# KiCad board TheENDGAME2024_COPPER.kicad_pcb
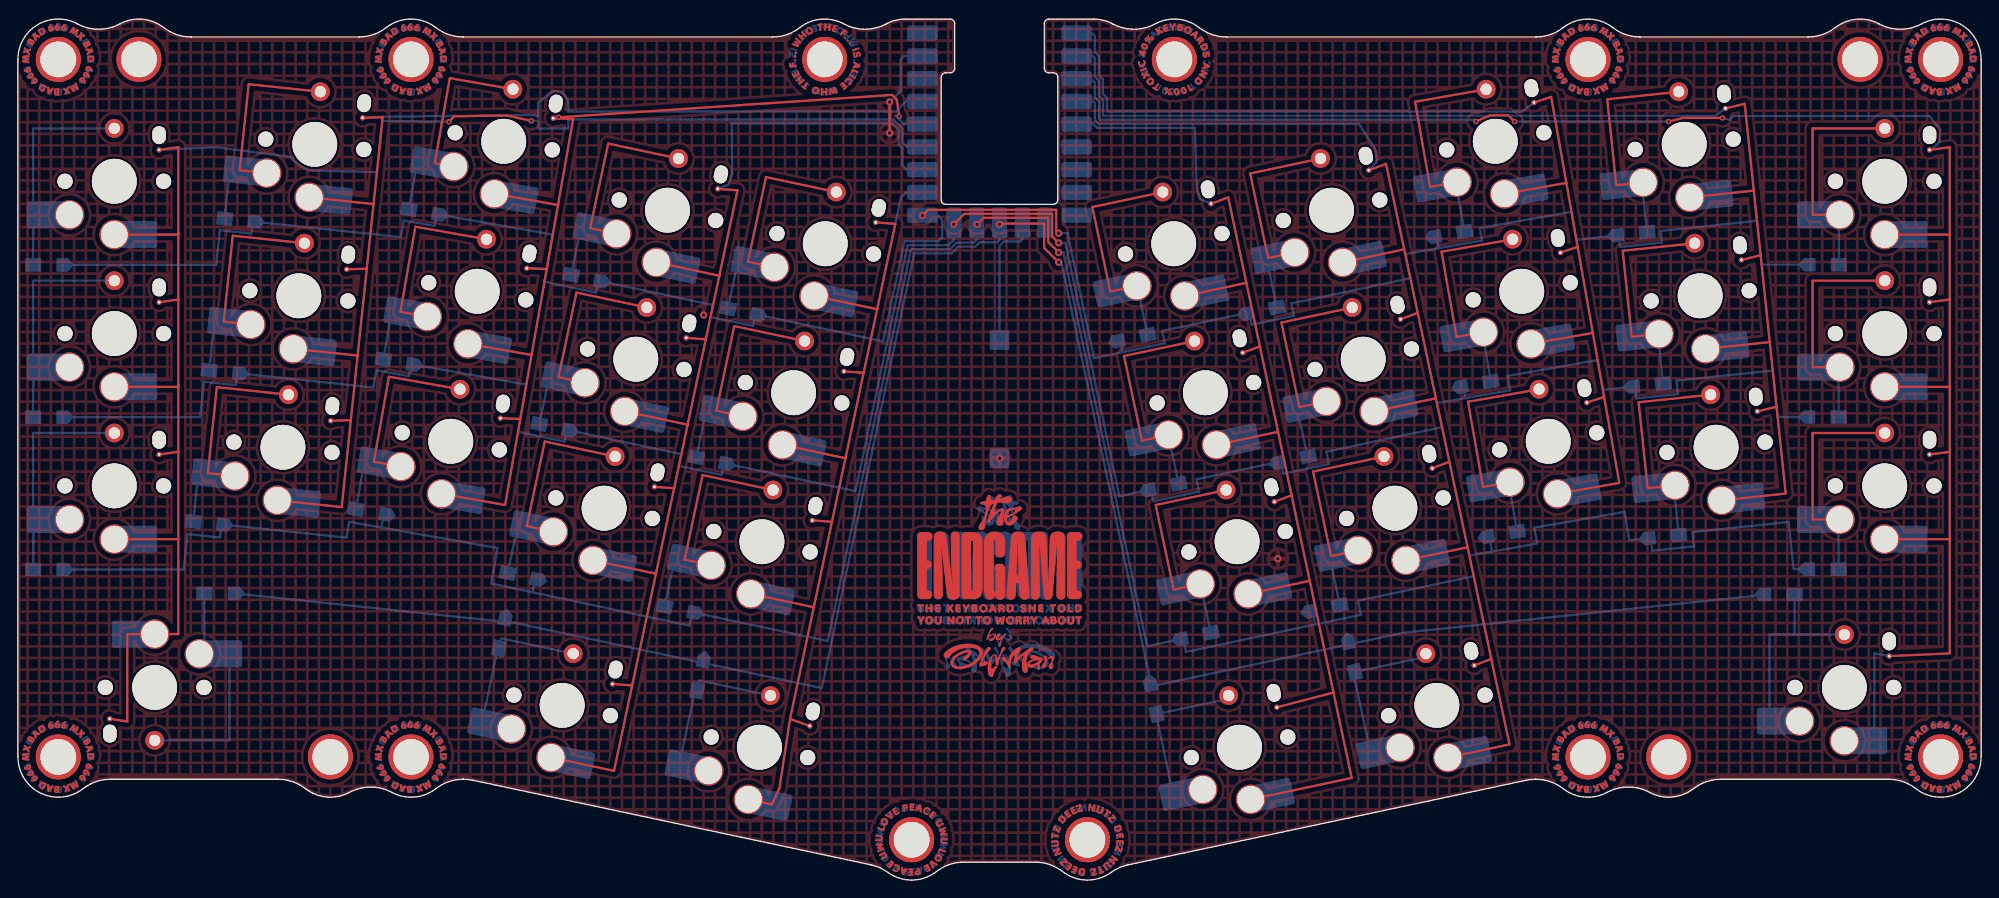
[diagram p0: board, top side]
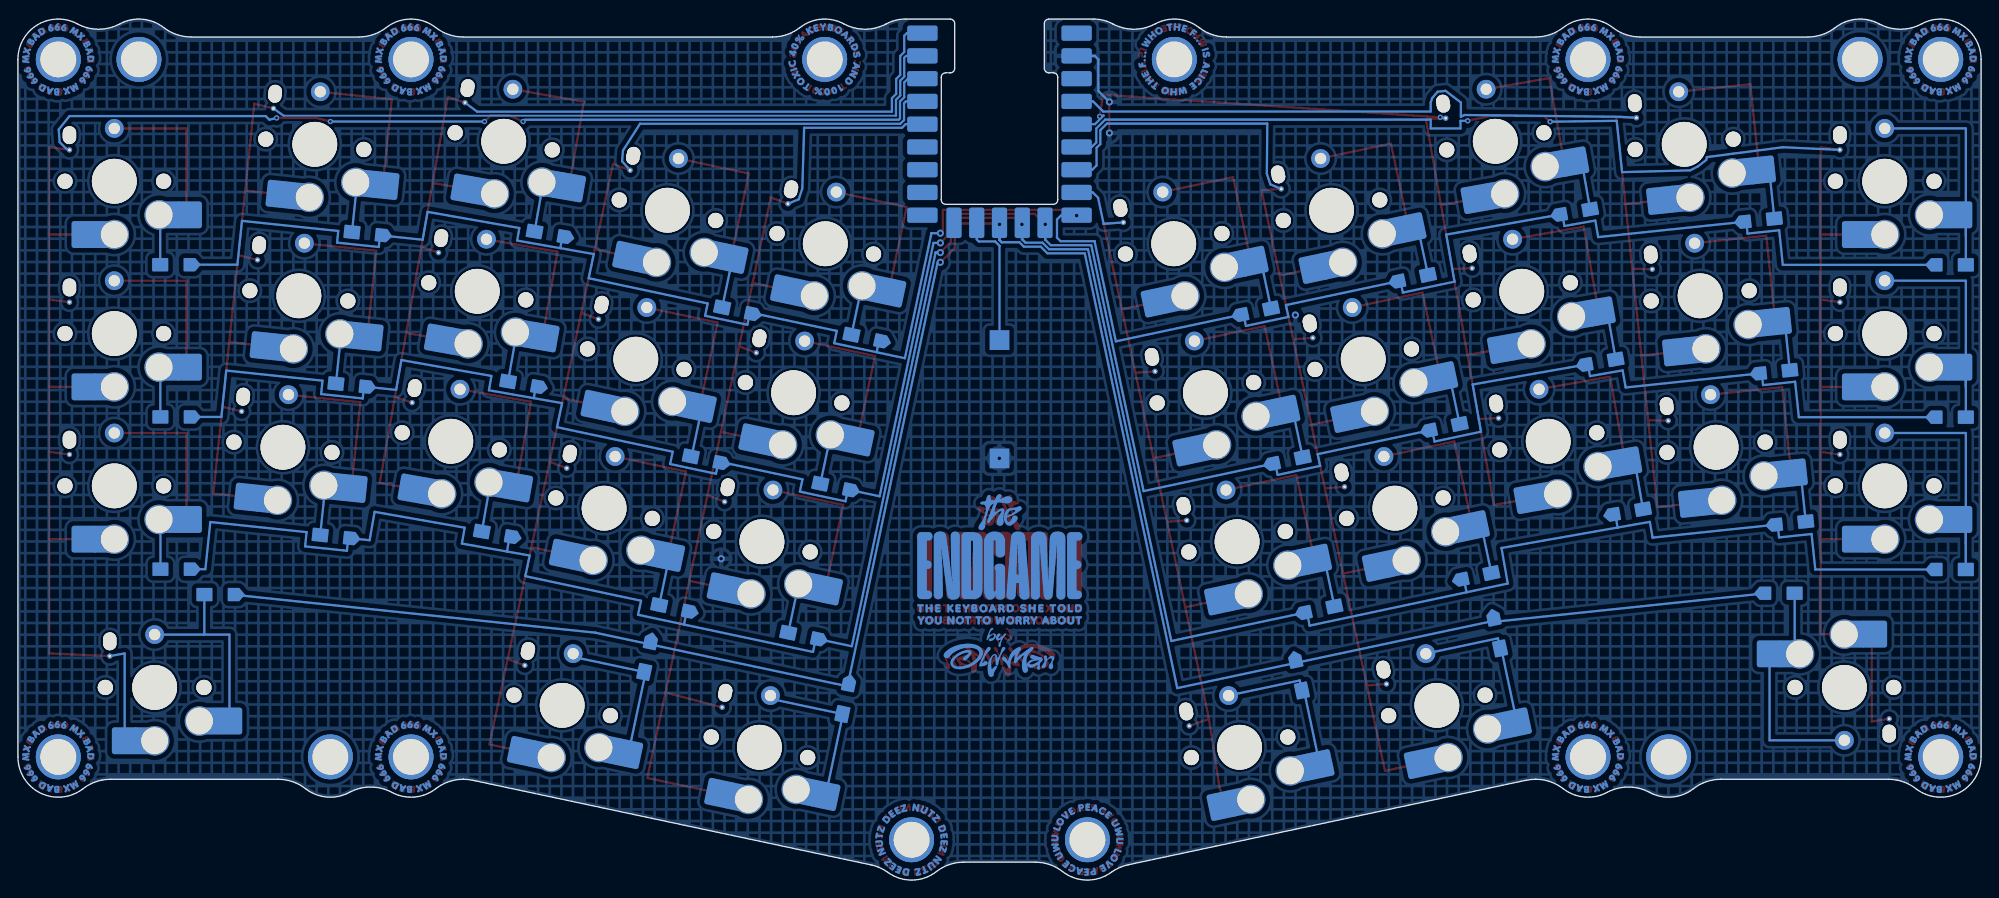
[diagram p1: board, bottom side, seen from below]

Outline 219 x 96.11 mm; copper layers: Top, Bottom. Coordinates in mm from the lower left corner of the outline.
Outline path: 0,91.61 0,13.75 arc(2.52,9.71) 7.26,10.2 arc(8.71,10.98) 10.33,11.25 29.02,11.25 arc(30.64,10.98) 32.09,10.2 arc(34.47,9.27) 36.98,9.79 arc(39.35,10.39) 41.72,9.79 arc(44.23,9.27) 46.61,10.2 arc(48.06,10.98) 49.68,11.25 49.7,11.25 arc(50.23,11.22) 50.74,11.14 95.15,1.7 arc(96.15,1.38) 97.05,0.86 arc(99.77,0) 102.46,0.95 arc(103.9,1.73) 105.53,2 113.47,2 arc(115.1,1.73) 116.54,0.95 arc(119.23,0) 121.95,0.86 arc(122.85,1.38) 123.85,1.7 168.26,11.14 arc(168.77,11.22) 169.3,11.25 169.32,11.25 arc(170.94,10.98) 172.39,10.2 arc(174.77,9.27) 177.28,9.79 arc(179.65,10.39) 182.02,9.79 arc(184.53,9.27) 186.91,10.2 arc(188.36,10.98) 189.98,11.25 208.67,11.25 arc(210.29,10.98) 211.74,10.2 arc(216.48,9.71) 219,13.75 219,91.61 arc(216.81,95.47) 212.37,95.57 arc(210,94.97) 207.63,95.57 arc(205.12,96.09) 202.74,95.16 arc(201.29,94.38) 199.67,94.11 180.98,94.11 arc(179.36,94.38) 177.91,95.16 arc(175.15,96.11) 172.39,95.16 arc(170.94,94.38) 169.32,94.11 134.83,94.11 arc(133.21,94.38) 131.76,95.16 arc(129.38,96.09) 126.87,95.57 arc(124.5,94.97) 122.13,95.57 arc(121.1,95.97) 120,96.11 115,96.11 arc(114.65,95.96) 114.5,95.61 114.5,90.61 arc(114.65,90.25) 115,90.11 115.5,90.11 arc(115.85,89.96) 116,89.61 116,75.93 arc(115.85,75.57) 115.5,75.43 103.5,75.43 arc(103.15,75.57) 103,75.93 103,89.61 arc(103.15,89.96) 103.5,90.11 104,90.11 arc(104.35,90.25) 104.5,90.61 104.5,95.61 arc(104.35,95.96) 104,96.11 99,96.11 arc(97.9,95.97) 96.87,95.57 arc(94.5,94.97) 92.13,95.57 arc(89.62,96.09) 87.24,95.16 arc(85.79,94.38) 84.17,94.11 49.68,94.11 arc(48.06,94.38) 46.61,95.16 arc(43.85,96.11) 41.09,95.16 arc(39.64,94.38) 38.02,94.11 19.33,94.11 arc(17.71,94.38) 16.26,95.16 arc(13.88,96.09) 11.37,95.57 arc(9,94.97) 6.63,95.57 arc(2.19,95.47) 0,91.61
Stack: Top 0.035mm / dielectric 1.51mm FR4 er 4.5 / Bottom 0.035mm

## Placement (name value [footprint] x y rotation side)
BZ2  Buzzer  [Buzzer_Mallory_AST1109MLTRQ]  109.5 53.67 270 bottom
D5  D_Small  [Diode_SOD123 filets triangle]  3.4 68.67 180 bottom
D6  D_Small  [Diode_SOD123 filets triangle]  3.4 51.67 180 bottom
D7  D_Small  [Diode_SOD123 filets triangle]  3.4 34.67 180 bottom
D8  D_Small  [Diode_SOD123 filets triangle]  22.5 32.02 180 bottom
D10  D_Small  [Diode_SOD123 filets triangle]  24.75 73.65 174 bottom
D11  D_Small  [Diode_SOD123 filets triangle]  23.02 56.73 174 bottom
D12  D_Small  [Diode_SOD123 filets triangle]  21.25 39.84 174 bottom
D13  D_Small  [Diode_SOD123 filets triangle]  45.29 74.58 170 bottom
D14  D_Small  [Diode_SOD123 filets triangle]  42.44 57.83 170 bottom
D15  D_Small  [Diode_SOD123 filets triangle]  39.39 41.11 170 bottom
D17  D_Small  [Diode_SOD123 filets triangle]  63.36 67.19 168 bottom
D18  D_Small  [Diode_SOD123 filets triangle]  59.83 50.55 168 bottom
D19  D_Small  [Diode_SOD123 filets triangle]  56.29 33.92 168 bottom
D20  D_Small  [Diode_SOD123 filets triangle]  54.01 27.52 258 bottom
D22  D_Small  [Diode_SOD123 filets triangle]  80.87 63.46 168 bottom
D23  D_Small  [Diode_SOD123 filets triangle]  77.34 46.83 168 bottom
D24  D_Small  [Diode_SOD123 filets triangle]  73.8 30.2 168 bottom
D25  D_Small  [Diode_SOD123 filets triangle]  76.12 22.83 258 bottom
D26  D_Small  [Diode_SOD123 filets triangle]  124.35 60.52 12 bottom
D27  D_Small  [Diode_SOD123 filets triangle]  127.82 43.89 12 bottom
D28  D_Small  [Diode_SOD123 filets triangle]  131.41 27.26 12 bottom
D29  D_Small  [Diode_SOD123 filets triangle]  126.67 20.2 282 bottom
D32  D_Small  [Diode_SOD123 filets triangle]  138.78 63.57 12 bottom
D33  D_Small  [Diode_SOD123 filets triangle]  142.28 46.94 12 bottom
D34  D_Small  [Diode_SOD123 filets triangle]  145.8 30.34 12 bottom
D35  D_Small  [Diode_SOD123 filets triangle]  148.78 24.9 282 bottom
D36  D_Small  [Diode_SOD123 filets triangle]  159.69 72.1 10 bottom
D37  D_Small  [Diode_SOD123 filets triangle]  162.65 55.36 10 bottom
D38  D_Small  [Diode_SOD123 filets triangle]  165.58 38.62 10 bottom
D39  D_Small  [Diode_SOD123 filets triangle]  180.05 72.15 6 bottom
D40  D_Small  [Diode_SOD123 filets triangle]  181.84 55.24 6 bottom
D41  D_Small  [Diode_SOD123 filets triangle]  183.59 38.33 6 bottom
D44  D_Small  [Diode_SOD123 filets triangle]  201.43 68.69 0 bottom
D45  D_Small  [Diode_SOD123 filets triangle]  201.41 51.69 0 bottom
D46  D_Small  [Diode_SOD123 filets triangle]  201.4 34.7 0 bottom
D47  D_Small  [Diode_SOD123 filets triangle]  196.5 31.87 0 bottom
REF**  -  [OM MOUNTING MX BAD]  175.15 13.75 0 top
REF**#2  -  [OM MOUNTING WHO THE F IS ALICE]  90 91.61 0 top
REF**#3  -  [OM MOUNTING MX BAD]  43.85 91.6 0 top
REF**#4  -  [OM MOUNTING MX BAD]  4.5 91.6 0 top
REF**#5  -  [MOUNTING HOLE 4 mm ENDGAME Silver NEW]  13.5 91.61 0 top
REF**#6  -  [OM MOUNTING TOXIC]  129 91.61 0 top
REF**#7  -  [OM MOUNTING MX BAD]  214.5 91.6 0 top
REF**#8  -  [OM MOUNTING MX BAD]  4.5 13.75 0 top
REF**#9  -  [OM MOUNTING MX BAD]  175.15 91.6 0 top
REF**#10  -  [OM MOUNTING LOVE PEACE UWU]  99.7 4.5 0 top
REF**#11  -  [OM MOUNTING MX BAD]  214.5 13.75 0 top
REF**#12  -  [OM MOUNTING MX BAD]  43.85 13.75 0 top
REF**#13  -  [OM MOUNTING DEEZ NUTZ]  119.3 4.5 0 top
REF**#14  -  [MOUNTING HOLE 4 mm ENDGAME Silver NEW]  34.85 13.75 0 top
REF**#15  -  [MOUNTING HOLE 4 mm ENDGAME Silver NEW]  184.15 13.75 0 top
REF**#16  -  [MOUNTING HOLE 4 mm ENDGAME Silver NEW]  205.5 91.61 0 top
SW2  SW_Push  [SW_choc_v1_v2_HS_1u]  10.75 78 180 bottom
SW3  SW_Push  [SW_choc_v1_v2_HS_1u]  10.75 61 180 bottom
SW4  SW_Push  [SW_choc_v1_v2_HS_1u]  10.75 44 180 bottom
SW5  SW_Push  [SW_choc_v1_v2_HS_1.5u]  15.25 21.5 0 bottom
SW6  SW_Push  [SW_choc_v1_v2_HS_1u]  33.12 82.12 174 bottom
SW7  SW_Push  [SW_choc_v1_v2_HS_1u]  31.34 65.22 174 bottom
SW8  SW_Push  [SW_choc_v1_v2_HS_1u]  29.56 48.31 174 bottom
SW9  SW_Push  [SW_choc_v1_v2_HS_1u]  54.19 82.46 170 bottom
SW10  SW_Push  [SW_choc_v1_v2_HS_1u]  51.24 65.72 170 bottom
SW11  SW_Push  [SW_choc_v1_v2_HS_1u]  48.29 48.98 170 bottom
SW12  SW_Push  [SW_choc_v1_v2_HS_1u]  72.46 74.77 168 bottom
SW13  SW_Push  [SW_choc_v1_v2_HS_1u]  68.92 58.14 168 bottom
SW14  SW_Push  [SW_choc_v1_v2_HS_1u]  65.39 41.51 168 bottom
SW15  SW_Push  [SW_choc_v1_v2_HS_1u]  60.71 19.5 168 bottom
SW16  SW_Push  [SW_choc_v1_v2_HS_1u]  90.07 71.03 168 bottom
SW17  SW_Push  [SW_choc_v1_v2_HS_1u]  86.53 54.4 168 bottom
SW18  SW_Push  [SW_choc_v1_v2_HS_1u]  83 37.77 168 bottom
SW19  SW_Push  [SW_choc_v1_v2_HS_1.5u]  82.72 14.82 168 bottom
SW20  SW_Push  [SW_choc_v1_v2_HS_1u]  128.93 71.03 192 bottom
SW21  SW_Push  [SW_choc_v1_v2_HS_1u]  132.47 54.4 192 bottom
SW22  SW_Push  [SW_choc_v1_v2_HS_1u]  136 37.77 192 bottom
SW23  SW_Push  [SW_choc_v1_v2_HS_1.5u]  136.28 14.82 192 bottom
SW24  SW_Push  [SW_choc_v1_v2_HS_1u]  146.54 74.77 192 bottom
SW25  SW_Push  [SW_choc_v1_v2_HS_1u]  150.08 58.14 192 bottom
SW26  SW_Push  [SW_choc_v1_v2_HS_1u]  153.61 41.51 192 bottom
SW27  SW_Push  [SW_choc_v1_v2_HS_1u]  158.29 19.5 192 bottom
SW28  SW_Push  [SW_choc_v1_v2_HS_1u]  164.81 82.46 190 bottom
SW29  SW_Push  [SW_choc_v1_v2_HS_1u]  167.76 65.72 190 bottom
SW30  SW_Push  [SW_choc_v1_v2_HS_1u]  170.71 48.98 190 bottom
SW31  SW_Push  [SW_choc_v1_v2_HS_1u]  185.88 82.12 186 bottom
SW32  SW_Push  [SW_choc_v1_v2_HS_1u]  187.66 65.22 186 bottom
SW33  SW_Push  [SW_choc_v1_v2_HS_1u]  189.44 48.31 186 bottom
SW34  SW_Push  [SW_choc_v1_v2_HS_1u]  208.25 78 180 bottom
SW35  SW_Push  [SW_choc_v1_v2_HS_1u]  208.25 61 180 bottom
SW36  SW_Push  [SW_choc_v1_v2_HS_1u]  208.25 44 180 bottom
SW37  SW_Push  [SW_choc_v1_v2_HS_1.5u]  203.75 21.5 180 bottom
U2  RP2040-Zero_stolen_from_Purox  [RP2040 Zero stolen from Purox bottom facing up 3d model v3]  109.5 85.8 0 top

## Library data of the parts
BZ2 = -: ki_fp_filters: *Buzzer*
D5-D8 D10-D15 D17-D20 D22-D29 D32-D41 D44-D47 = -: ki_fp_filters: TO-???* *_Diode_* *SingleDiode* D_*

## Footprints (pads in the part's own frame, mm; a bottom-side part is the same pattern mirrored in y, then rotated)
Buzzer_Mallory_AST1109MLTRQ
  rect 2.2x2.2 smd: 1(-6.6,0) 2(6.6,0)
Diode_SOD123 filets triangle
  custom 1.902x1.504 smd rot 179.8: 1(-1.45,0)
  rrect 1.8x1.5 smd: 2(1.7,0)
MOUNTING HOLE 4 mm ENDGAME Silver NEW
  round 5 smd: 1(0,0)
  round 5 hole 4: 1(0,0)
  round 5 smd far side: 1(0,0)
OM MOUNTING DEEZ NUTZ
  round 5 smd: 1(0,0)
  round 5 hole 4: 1(0,0)
  round 5 smd far side: 1(0,0)
OM MOUNTING LOVE PEACE UWU
  round 5 smd: 1(0,0)
  round 5 hole 4: 1(0,0)
  round 5 smd far side: 1(0,0)
OM MOUNTING MX BAD
  round 5 smd: 1(0,0)
  round 5 hole 4: 1(0,0)
  round 5 smd far side: 1(0,0)
OM MOUNTING TOXIC
  round 5 smd: 1(0,0)
  round 5 hole 4: 1(0,0)
  round 5 smd far side: 1(0,0)
OM MOUNTING WHO THE F IS ALICE
  round 5 smd: 1(0,0)
  round 5 hole 4: 1(0,0)
  round 5 smd far side: 1(0,0)
RP2040 Zero stolen from Purox bottom facing up 3d model v3
  rrect 3.4x1.7 smd far side: 1(-8.6,8.736) 2(-8.6,6.196) 3(-8.6,3.656) 4(-8.6,1.116) 5(-8.6,-1.424) 6(-8.6,-3.964) 7(-8.6,-6.504) 8(-8.6,-9.044) 9(-8.6,-11.584) 10(8.6,8.736) 11(8.6,6.196) 12(8.6,3.656) 13(8.6,1.116) 14(8.6,-1.424) 15(8.6,-3.964) 16(8.6,-6.504) 17(8.6,-9.044) 18(8.6,-11.584)
  rrect 1.7x3.4 smd far side: 19(-5.08,-12.434) 20(-2.54,-12.434) 21(0,-12.434) 22(2.54,-12.434) 23(5.08,-12.434)
SW_choc_v1_v2_HS_1.5u
  round 1.7 hole 1.7 unplated: (-5.5,0) (5.5,0)
  oval 1.5x2 hole 1.5x2 unplated: (-5,5.15)
  round 5 hole 5 unplated: (0,0)
  round 2.1 hole 1.27: 1(0,5.9)
  round 3.3 hole 3: 1(5,-3.75) 2(0,-5.95)
  rect 1.6x3 smd: 1(6.4,-3.75) 2(-1.4,-5.95)
  rrect 2.85x3 smd: 1(8.345,-3.75) 2(-3.345,-5.95)
  round 0.6 hole 0.3: 2(-5,3.5)
SW_choc_v1_v2_HS_1u
  round 1.7 hole 1.7 unplated: (-5.5,0) (5.5,0)
  oval 1.5x2 hole 1.5x2 unplated: (-5,5.15)
  round 5 hole 5 unplated: (0,0)
  round 2.1 hole 1.27: 1(0,5.9)
  round 3.3 hole 3: 1(5,-3.75) 2(0,-5.95)
  rect 1.6x3 smd: 1(6.4,-3.75) 2(-1.4,-5.95)
  rrect 2.85x3 smd: 1(8.345,-3.75) 2(-3.345,-5.95)
  round 0.6 hole 0.3: 2(-5,3.5)

## Nets
gnd: BZ2.2 U2.2
col0: SW2.2 SW3.2 SW4.2 SW5.2 U2.6
col1: SW6.2 SW7.2 SW8.2 U2.4
col2: SW9.2 SW10.2 SW11.2 U2.5
col3: SW12.2 SW13.2 SW14.2 SW15.2 U2.7
col4: SW16.2 SW17.2 SW18.2 SW19.2 U2.8
col5: SW20.2 SW21.2 SW22.2 SW23.2 U2.14
col6: SW24.2 SW25.2 SW26.2 SW27.2 U2.13
col7: SW28.2 SW29.2 SW30.2 U2.10
col8: SW31.2 SW32.2 SW33.2 U2.11
col9: SW34.2 SW35.2 SW36.2 SW37.2 U2.12
row0: D5.1 D10.1 D13.1 D17.1 D22.1 D26.1 D32.1 D36.1 D39.1 D44.1 U2.9
row1: D6.1 D11.1 D14.1 D18.1 D23.1 D27.1 D33.1 D37.1 D40.1 D45.1 U2.19
row2: D7.1 D12.1 D15.1 D19.1 D24.1 D28.1 D34.1 D38.1 D41.1 D46.1 U2.20
row3: D8.1 D20.1 D25.1 D29.1 D35.1 D47.1 U2.21
Sound: BZ2.1 U2.22
Net-(D5-A): D5.2 SW2.1
Net-(D6-A): D6.2 SW3.1
Net-(D7-A): D7.2 SW4.1
Net-(D8-A): D8.2 SW5.1
Net-(D10-A): D10.2 SW6.1
Net-(D11-A): D11.2 SW7.1
Net-(D12-A): D12.2 SW8.1
Net-(D13-A): D13.2 SW9.1
Net-(D14-A): D14.2 SW10.1
Net-(D15-A): D15.2 SW11.1
Net-(D17-A): D17.2 SW12.1
Net-(D18-A): D18.2 SW13.1
Net-(D19-A): D19.2 SW14.1
Net-(D20-A): D20.2 SW15.1
Net-(D22-A): D22.2 SW16.1
Net-(D23-A): D23.2 SW17.1
Net-(D24-A): D24.2 SW18.1
Net-(D25-A): D25.2 SW19.1
Net-(D26-A): D26.2 SW20.1
Net-(D27-A): D27.2 SW21.1
Net-(D28-A): D28.2 SW22.1
Net-(D29-A): D29.2 SW23.1
Net-(D32-A): D32.2 SW24.1
Net-(D33-A): D33.2 SW25.1
Net-(D34-A): D34.2 SW26.1
Net-(D35-A): D35.2 SW27.1
Net-(D36-A): D36.2 SW28.1
Net-(D37-A): D37.2 SW29.1
Net-(D38-A): D38.2 SW30.1
Net-(D39-A): D39.2 SW31.1
Net-(D40-A): D40.2 SW32.1
Net-(D41-A): D41.2 SW33.1
Net-(D44-A): D44.2 SW34.1
Net-(D45-A): D45.2 SW35.1
Net-(D46-A): D46.2 SW36.1
Net-(D47-A): D47.2 SW37.1

Pads without a net: REF** 1; REF**#2 1; REF**#3 1; REF**#4 1; REF**#5 1; REF**#6 1; REF**#7 1; REF**#8 1; REF**#9 1; REF**#10 1; REF**#11 1; REF**#12 1; REF**#13 1; REF**#14 1; REF**#15 1; REF**#16 1; U2 1 3 15 16 17 18 23

## Via types
v1: diameter 0.8, hole 0.4, Top to Bottom, 13 vias
v2: diameter 0.6, hole 0.3, Top to Bottom, 8 vias

## Routing (per net, layer and track width the routed paths; a pad name or vN(x,y) marks a point on that pad's centre or on a via; arc(x,y) is an arc through that point)
gnd: length 11.3
  Top w0.25: v1(97.24,86.85) 97.24,83.39 v1(97.24,83.39)
  Bottom w0.25: U2.2 98.87,91.99 98.47,91.6 98.47,88.08 v1(97.24,86.85)
  vias: v1(76.5,63.07) v1(109.52,47.07) v1(140.55,35.87)
col0: length 195.5
  Top w0.25: 17.9,55.27 17.9,47.8 ; 17.9,55.27 17.9,64.8 ; 17.9,55.27 17.9,55.05 SW3.2 ; 17.9,47.8 SW4.2 ; 17.9,47.8 17.9,38.07 ; 17.9,72.27 17.9,64.8 ; 17.9,72.27 17.9,81.8 SW2.2 ; 17.9,72.27 17.9,72.05 SW2.2 ; 17.9,64.8 SW3.2 ; 17.9,38.07 17.9,38.05 SW4.2 ; 17.9,38.07 17.9,27.45 SW5.2 12.2,27.45 12.2,17.7 SW5.2 ; v2(48.07,84.65) 48.67,85.25 54.47,85.35 v2(57.27,84.75)
  Bottom w0.25: SW2.2 22.11,81.8 22.11,81.8 30.59,80.69 30.66,80.38 31.56,79.68 32.45,79.22 40.05,79.02 40.65,84.72 40.67,84.75 v2(48.07,84.65) ; U2.6 99.21,81.83 98.7,82.34 98.7,83.89 97.7,84.89 61.4,84.89 61.4,83.89 58.07,83.89 58.07,84.75 v2(57.27,84.75)
col1: length 138.8
  Top w0.25: 38.91,68.24 SW7.2 ; 38.91,68.24 39.67,75.46 ; 38.91,68.24 37.9,58.55 ; 37.14,51.34 SW8.2 ; 37.14,51.34 37.9,58.55 ; 37.14,51.34 36.12,41.64 SW8.2 ; 37.9,58.55 37.89,58.55 SW7.2 ; SW6.2 40.69,85.15 39.67,75.46 ; 39.67,75.46 39.67,75.45 SW6.2
  Bottom w0.25: SW6.2 40.24,85.2 57.64,85.4 58.03,85.2 58.03,86.79 59.73,88.09 60.63,87.99 61.23,87.29 61.4,86.79 61.4,85.79 97.93,85.79 99.06,86.91 U2.4
col2: length 116.6
  Top w0.25: v2(60.32,85.14) 97.52,87.64 98.02,87.14 v2(98.32,85.24) ; 56.04,51.47 54.34,41.87 SW11.2 ; 56.04,51.47 57.32,58.73 ; 56.04,51.47 SW11.2 ; 58.99,68.21 57.32,58.73 ; 58.99,68.21 60.27,75.47 ; 58.99,68.21 SW10.2 ; 57.32,58.73 57.3,58.61 SW10.2 ; 60.27,75.47 60.25,75.35 SW9.2 ; 60.27,75.47 61.94,84.95 SW9.2
  Bottom w0.25: SW9.2 v2(60.32,85.14) ; v2(98.32,85.24) 97.89,85.34 98.85,84.37 U2.5
col3: length 137.7
  Top w0.25: 74.73,50.93 74.71,50.83 SW13.2 ; 74.73,50.93 73.2,43.73 ; 74.73,50.93 76.74,60.36 ; 73.2,43.73 SW14.2 ; 73.2,43.73 71.2,34.3 ; SW12.2 80.27,76.99 78.27,67.56 ; 76.74,60.36 78.27,67.56 ; 76.74,60.36 SW13.2 ; SW14.2 71.17,34.2 71.2,34.3 ; 68.52,21.73 SW15.2 ; 68.52,21.73 71.2,34.3 ; 68.52,21.73 66.5,12.19 SW15.2 ; 78.27,67.56 78.24,67.45 SW12.2
  Bottom w0.25: U2.7 99.15,79.29 98.67,79.77 98.67,81.73 98.25,82.15 98.25,83.7 97.52,84.44 79.71,84.44 79.63,84.44 79.68,78.85 79.28,77.65 SW12.2
col4: length 107.7
  Top w0.25: 94.34,56.62 SW17.2 ; 94.34,56.62 95.87,63.81 ; 94.34,56.62 92.34,47.19 ; 92.34,47.19 90.81,39.99 ; 92.34,47.19 92.32,47.08 SW17.2 ; 90.81,39.99 88.8,30.56 ; 90.81,39.99 SW18.2 ; 95.87,63.81 97.88,73.25 SW16.2 ; 95.87,63.81 95.85,63.71 SW16.2 ; 86.14,18.04 86.13,17.98 SW19.2 ; 86.14,18.04 88.8,30.56 ; 86.14,18.04 84.94,10.24 84.1,8.45 SW19.2 ; 88.8,30.56 88.78,30.46 SW18.2
  Bottom w0.25: U2.8 99.09,76.75 98.5,76.16 97.88,73.25 97.88,73.25 SW16.2
col5: length 135.7
  Top w0.25: 138.55,59.57 SW21.2 ; 138.55,59.57 140.57,50.04 ; 138.55,59.57 137.04,66.66 ; SW23.2 148.79,11.4 146.76,20.94 ; 140.57,50.04 142.08,42.94 ; 140.57,50.04 SW21.2 ; 142.08,42.94 144.11,33.41 ; 142.08,42.94 SW22.2 ; 137.04,66.66 135.01,76.2 SW20.2 ; 137.04,66.66 130.17,65.21 ; 144.11,33.41 146.76,20.94 ; 144.11,33.41 SW22.2 ; 146.76,20.94 SW23.2
  Bottom w0.25: SW20.2 131.9,75.99 131.5,77.19 131.3,83.97 131.29,83.97 120.38,83.97 119.97,84.37 U2.14 ; 140.11,33.01 138.69,32.71
col6: length 142.2
  Top w0.25: 156.15,63.32 158.18,53.78 ; 156.15,63.32 154.65,70.41 ; 156.15,63.32 SW25.2 ; 158.18,53.78 159.69,46.69 ; 158.18,53.78 SW25.2 ; 159.69,46.69 161.71,37.15 ; 159.69,46.69 SW26.2 ; 161.71,37.15 164.37,24.68 ; 161.71,37.15 SW26.2 ; 164.37,24.68 166.39,15.14 SW27.2 ; 164.37,24.68 SW27.2 ; SW24.2 152.62,79.94 154.65,70.41 ; 154.65,70.41 SW24.2
  Bottom w0.25: SW24.2 151.6,80.23 151.5,81.43 149.6,84.42 149.6,84.42 120.56,84.42 120.15,84.83 120.15,86.72 119.96,86.91 U2.13
col7: length 130
  Top w0.25: 173.99,70.68 SW29.2 ; 173.99,70.68 172.74,77.82 ; 173.99,70.68 175.69,61.08 ; 176.95,53.94 SW30.2 ; 176.95,53.94 175.69,61.08 ; 176.95,53.94 178.64,44.33 SW30.2 ; 175.69,61.08 SW29.2 ; 172.74,77.82 171.04,87.42 SW28.2 ; 172.74,77.82 SW28.2
  Bottom w0.25: SW28.2 167.77,85.77 121.5,85.77 121.5,87.28 121.03,87.75 121.03,89.42 120.57,89.87 120.58,91.98 120.12,92.43 120.12,94.24 119.84,94.53 U2.10
col8: length 150.6
  Top w0.25: 194.41,69.75 SW32.2 ; 194.41,69.75 193.65,76.96 ; 194.41,69.75 195.43,60.05 ; 195.43,60.05 196.18,52.84 ; 195.43,60.05 SW32.2 ; 196.18,52.84 197.2,43.14 SW33.2 ; 196.18,52.84 SW33.2 ; 193.65,76.96 192.63,86.65 SW31.2 ; 193.65,76.96 193.65,76.96 SW31.2
  Bottom w0.2: 189.35,85.32 121.05,85.32
  Bottom w0.25: SW31.2 189.35,85.32 ; U2.11 119.93,91.99 120.13,91.79 120.12,89.68 120.58,89.23 120.57,87.57 121.05,87.09 121.05,85.32
col9: length 207.9
  Top w0.25: v2(166.95,84.67) 166.25,85.37 164.25,85.37 v2(162.65,84.67) ; v2(190.15,85.07) 185.75,85.07 v2(184.15,84.67) ; 215.5,55.07 215.5,47.8 ; 215.5,55.07 215.5,55.05 SW35.2 ; 215.5,55.07 215.5,64.8 ; 215.5,47.8 215.5,38.07 ; 215.5,47.8 SW36.2 ; SW34.2 215.5,81.8 215.5,72.07 ; SW34.2 215.5,72.05 215.5,72.07 ; 215.5,72.07 215.5,64.8 ; SW36.2 215.5,38.05 215.5,38.07 ; SW37.2 215.5,25.3 215.5,38.07 ; 215.5,64.8 SW35.2
  Bottom w0.25: v2(162.65,84.67) 162.45,84.87 120.75,84.87 120.6,85.02 120.6,86.9 120.12,87.38 120.13,89.04 119.72,89.45 118.1,89.45 ; v2(190.15,85.07) 190.95,84.87 191.36,85.28 213.25,85.28 214.45,83.78 214.35,82.38 213.65,81.68 SW34.2 ; SW37.2 207.09,25.3 SW37.2 ; v2(166.95,84.67) v2(184.15,84.67)
row0: length 266.5
  Top w0.25: v1(116.1,72.2) 116.1,72.21 115.83,72.48 115.82,74.82 101.55,74.82 v1(100.9,74.17)
  Bottom w0.25: 158.5,70.53 163.31,71.38 163.06,72.78 173.3,74.59 173.85,71.47 178.58,71.97 D39.1 178.74,70.67 183.4,71.15 183.26,72.45 194,73.58 194.52,68.69 D44.1 ; 158.5,70.53 154.76,69.87 155.33,67.18 142.05,64.36 142.34,62.99 137.63,61.99 137.34,63.36 127.65,61.3 127.94,59.93 123.21,58.92 ; 158.5,70.53 D36.1 ; D26.1 123.21,58.92 ; 123.21,58.92 120.06,58.25 117.09,72.2 117.09,72.2 v1(116.1,72.2) ; v1(100.9,74.17) 102.65,74.17 103.09,73.73 103.09,71.71 102.69,71.31 98.9,71.31 98.9,71.31 96.52,60.13 D22.1 82.01,61.85 77.27,62.86 77.55,64.18 D17.1 64.5,65.57 58.73,66.8 58.78,67 59.67,72.04 D13.1 46.48,73.01 43.04,73.61 42.71,71.77 D10.1 26.05,72.16 22.52,72.53 22.12,68.67 D5.1
row1: length 289.7
  Top w0.25: v1(104.4,73.19) 105.58,74.37 115.35,74.37 115.38,74.35 115.38,71.85 v1(116.1,71.12)
  Bottom w0.25: 161.45,53.79 166.46,54.68 166.18,56.27 176.22,58.04 176.81,54.71 D40.1 180.53,53.76 185.18,54.25 185.02,55.75 195.76,56.87 196.3,51.69 D45.1 ; 161.45,53.79 158.3,53.24 158.87,50.55 145.95,47.81 146.25,46.44 141.13,45.35 D33.1 140.84,46.72 131.48,44.73 131.77,43.36 126.69,42.28 D27.1 122.87,42.84 116.86,71.12 v1(116.1,71.12) ; 161.45,53.79 D37.1 ; 104.4,71.48 104.4,73.36 ; 104.4,71.48 v1(104.4,73.19) ; 104.4,71.48 103.78,70.86 99.26,70.86 93.43,43.41 D23.1 78.48,45.22 73.73,46.23 74.01,47.54 D18.1 60.97,48.94 55.79,50.04 56.72,55.31 D14.1 43.63,56.25 39.99,56.89 39.65,54.98 D11.1 24.33,55.25 20.75,55.62 20.33,51.67 D6.1
row2: length 314.2
  Top w0.25: v1(116.1,70.04) 116.1,70.06 114.93,71.24 114.93,73.92 114.92,73.92 107.72,73.92 v1(107,73.19)
  Bottom w0.25: D15.1 40.55,39.35 ; 40.55,39.35 36.95,39.98 36.67,38.37 36.65,38.22 D12.1 22.54,38.25 18.91,38.63 18.49,34.67 D7.1 ; 40.55,39.35 53.49,37.07 53.5,37.07 52.8,33.1 57.39,32.12 ; U2.20 106.96,71.51 106.6,71.15 ; v1(116.1,70.04) 116.1,70.04 116.63,70.04 ; 106.6,71.15 104.71,71.15 103.97,70.41 99.63,70.41 93.83,43.14 93.83,43.14 90.33,26.68 D24.1 74.9,28.4 57.39,32.12 ; 106.6,71.15 107,71.55 v1(107,73.19) ; 116.63,70.04 116.63,70.04 116,70.04 ; 116.63,70.04 125.97,26.1 D28.1 130.3,25.47 144.7,28.53 ; D38.1 164.45,36.68 ; 164.45,36.68 169.48,37.56 169.16,39.33 179.21,41.11 179.77,37.93 D41.1 182.3,36.76 186.96,37.25 186.8,38.84 197.54,39.97 198.09,34.7 D46.1 ; 164.45,36.68 161.91,36.23 162.4,33.93 149.49,31.18 149.82,29.62 144.7,28.53 ; 57.39,32.12 D19.1 ; 144.7,28.53 D34.1
row3: length 258.9
  Top w0.25: v1(116.1,68.96) 114.47,70.58 114.47,73.28 109.59,73.28 v1(109.5,73.19)
  Bottom w0.25: 109.26,71.19 107.28,71.19 106.78,70.7 104.89,70.7 104.16,69.96 99.99,69.96 89.67,21.43 D25.1 D20.1 54.3,28.83 D8.1 ; 109.26,71.19 109.5,71.43 ; 109.26,71.19 109.5,71.43 ; 109.5,71.43 U2.21 109.5,73.36 ; 109.5,71.43 v1(109.5,73.19) ; 116,68.96 116.4,68.96 126.44,21.72 D29.1 D35.1 154.59,27.61 154.59,27.62 D47.1
Sound: length 15.2
  Bottom w0.25: BZ2.1 109.5,70.8 109.99,71.28 111.81,71.28 112.04,71.51 U2.22
Net-(D5-A): length 27.3
  Bottom w0.25: SW2.1 1.7,74.25 1.7,71.92 ; 1.7,71.92 1.7,83.9 SW2.1 ; 1.7,71.92 D5.2
Net-(D6-A): length 29.4
  Bottom w0.25: D6.2 1.7,57.25 ; 1.7,57.25 SW3.1 ; 1.7,57.25 1.7,55.07 1.7,66.9 SW3.1
Net-(D7-A): length 32.3
  Bottom w0.25: 1.7,37.67 1.7,40.25 ; 1.7,37.67 1.7,49.9 SW4.1 ; 1.7,37.67 1.7,35.57 ; 1.7,40.25 D7.2 ; 1.7,40.25 2.41,40.25
Net-(D8-A): length 27.6
  Bottom w0.25: D8.2 20.8,25.25 SW5.1 23.6,15.6 SW5.1
Net-(D10-A): length 27.1
  Top w0.25: SW6.1 25.74,88.83 24.74,79.23 SW6.1
  Bottom w0.25: SW6.1 23.64,79.35 D10.2
Net-(D11-A): length 27
  Top w0.25: SW7.1 23.97,71.92 22.96,62.33 SW7.1
  Bottom w0.25: D11.2 21.66,60.06 21.91,62.44 SW7.1
Net-(D12-A): length 27
  Top w0.25: SW8.1 22.19,55.02 21.18,45.42 SW8.1
  Bottom w0.25: D12.2 19.87,42.95 20.14,45.53 SW8.1
Net-(D13-A): length 25.3
  Top w0.25: SW9.1 46.5,80.01 48.17,89.51 SW9.1
  Bottom w0.25: SW9.1 44.58,80.35 D13.2
Net-(D14-A): length 27
  Top w0.25: SW10.1 42.66,63.42 44.34,72.93 SW10.1
  Bottom w0.25: D14.2 41.72,63.59 SW10.1
Net-(D15-A): length 27.1
  Top w0.25: SW11.1 39.71,46.68 41.38,56.19 SW11.1
  Bottom w0.25: D15.2 38.67,46.86 SW11.1
Net-(D17-A): length 26.9
  Top w0.25: SW12.1 63.83,72.77 65.84,82.21 SW12.1
  Bottom w0.25: SW12.1 62.86,72.98 D17.2
Net-(D18-A): length 26.9
  Top w0.25: SW13.1 60.3,56.14 62.31,65.58 SW13.1
  Bottom w0.25: SW13.1 59.32,56.35 58.93,54.49 D18.2
Net-(D19-A): length 26.9
  Top w0.25: SW14.1 58.77,48.95 56.76,39.51 SW14.1
  Bottom w0.25: D19.2 55.79,39.72 SW14.1
Net-(D20-A): length 18
  Bottom w0.25: SW15.1 53.9,26.98 D20.2 53.54,25.89 SW15.1
Net-(D22-A): length 27
  Top w0.25: SW16.1 83.45,78.46 81.44,69.02 SW16.1
  Bottom w0.25: SW16.1 80.36,69.25 D22.2
Net-(D23-A): length 27
  Top w0.25: SW17.1 77.91,52.4 79.91,61.84 SW17.1
  Bottom w0.25: SW17.1 76.83,52.62 D23.2
Net-(D24-A): length 27
  Top w0.25: SW18.1 76.38,45.21 74.37,35.77 SW18.1
  Bottom w0.25: D24.2 73.3,36 SW18.1
Net-(D25-A): length 18
  Bottom w0.25: SW19.1 76,22.28 D25.2 75.55,21.21 SW19.1
Net-(D26-A): length 26.3
  Top w0.25: SW20.1 121.86,65.69 119.85,75.13 SW20.1
  Bottom w0.25: SW20.1 124.85,66.32 D26.2
Net-(D27-A): length 26.3
  Top w0.25: SW21.1 123.39,58.5 125.4,49.06 SW21.1
  Bottom w0.25: D27.2 128.33,49.68 SW21.1
Net-(D28-A): length 26.3
  Top w0.25: SW22.1 126.92,41.87 128.93,32.43 SW22.1
  Bottom w0.25: D28.2 131.91,33.06 SW22.1
Net-(D29-A): length 18
  Bottom w0.25: SW23.1 126.96,18.52 D29.2 135.12,20.26 SW23.1
Net-(D32-A): length 28.1
  Top w0.25: SW24.1 137.46,78.87 139.47,69.43 SW24.1
  Bottom w0.25: D32.2 139.28,69.39 SW24.1
Net-(D33-A): length 26.5
  Top w0.25: SW25.1 142.95,52.79 140.95,62.23 SW25.1
  Bottom w0.25: SW25.1 143.85,47.28 D33.2
Net-(D34-A): length 26.4
  Top w0.25: SW26.1 146.49,36.16 144.48,45.6 SW26.1
  Bottom w0.25: D34.2 146.32,36.13
Net-(D35-A): length 18
  Bottom w0.25: SW27.1 157.13,24.93 D35.2 148.97,23.2 SW27.1
Net-(D36-A): length 26.5
  Top w0.25: SW28.1 155.86,86.87 157.53,77.37 SW28.1
  Bottom w0.25: D36.2 160.4,77.88 SW28.1
Net-(D37-A): length 26.4
  Top w0.25: SW29.1 160.48,60.63 158.81,70.13 SW29.1
  Bottom w0.25: D37.2 163.36,61.14 SW29.1
Net-(D38-A): length 26.5
  Top w0.25: SW30.1 163.44,43.89 161.76,53.39 SW30.1
  Bottom w0.25: SW30.1 166.28,44.39 D38.2
Net-(D39-A): length 26.4
  Top w0.25: SW31.1 178.3,77.56 177.29,87.15 SW31.1
  Bottom w0.25: SW31.1 181.16,77.86 D39.2
Net-(D40-A): length 26.5
  Top w0.25: SW32.1 180.03,60.64 179.02,70.24 SW32.1
  Bottom w0.25: SW32.1 182.95,60.95 D40.2
Net-(D41-A): length 26.5
  Top w0.25: SW33.1 180.8,53.34 181.81,43.74 SW33.1
  Bottom w0.25: SW33.1 184.7,44.04 D41.2
Net-(D44-A): length 26.4
  Top w0.25: SW34.1 200.2,83.9 200.2,74.25 SW34.1
  Bottom w0.25: 203.13,68.69 203.13,74.25 SW34.1
Net-(D45-A): length 26.5
  Top w0.25: SW35.1 200.2,66.9 200.2,57.25 SW35.1
  Bottom w0.25: SW35.1 203.11,57.25 203.11,51.69
Net-(D46-A): length 26.4
  Top w0.25: SW36.1 200.2,49.9 200.2,40.25 SW36.1
  Bottom w0.25: SW36.1 203.1,40.25 D46.2
Net-(D47-A): length 22.6
  Bottom w0.25: 198.3,27.4 SW37.1 ; 198.3,27.4 198.2,27.4 D47.2 ; 198.3,27.4 195.41,27.4 SW37.1

## Copper pours and planes (outline as drawn; the poured copper is in the pictures)
gnd on Top, Bottom: -68.3,185.67 287.3,185.67 287.3,-68.33 -68.3,-68.33

Small or netless copper shapes (teardrops, artwork), in the pictures only: 54 on Top, 54 on Bottom

## Text on the board
User.Comments: 6 | 10
